# Altium PCB PCB3.PcbDoc
Units mil, origin at the board's own origin, x right, y up, seen from the top; angles counter-clockwise.
Board outline 4000 x 4000 mil, 4 copper layers (Top Layer, Middle Layer 1, Middle Layer 2, Bottom Layer), stack 23.8 mil thick; 76 components, 109 nets, 421 pads, 67 vias.
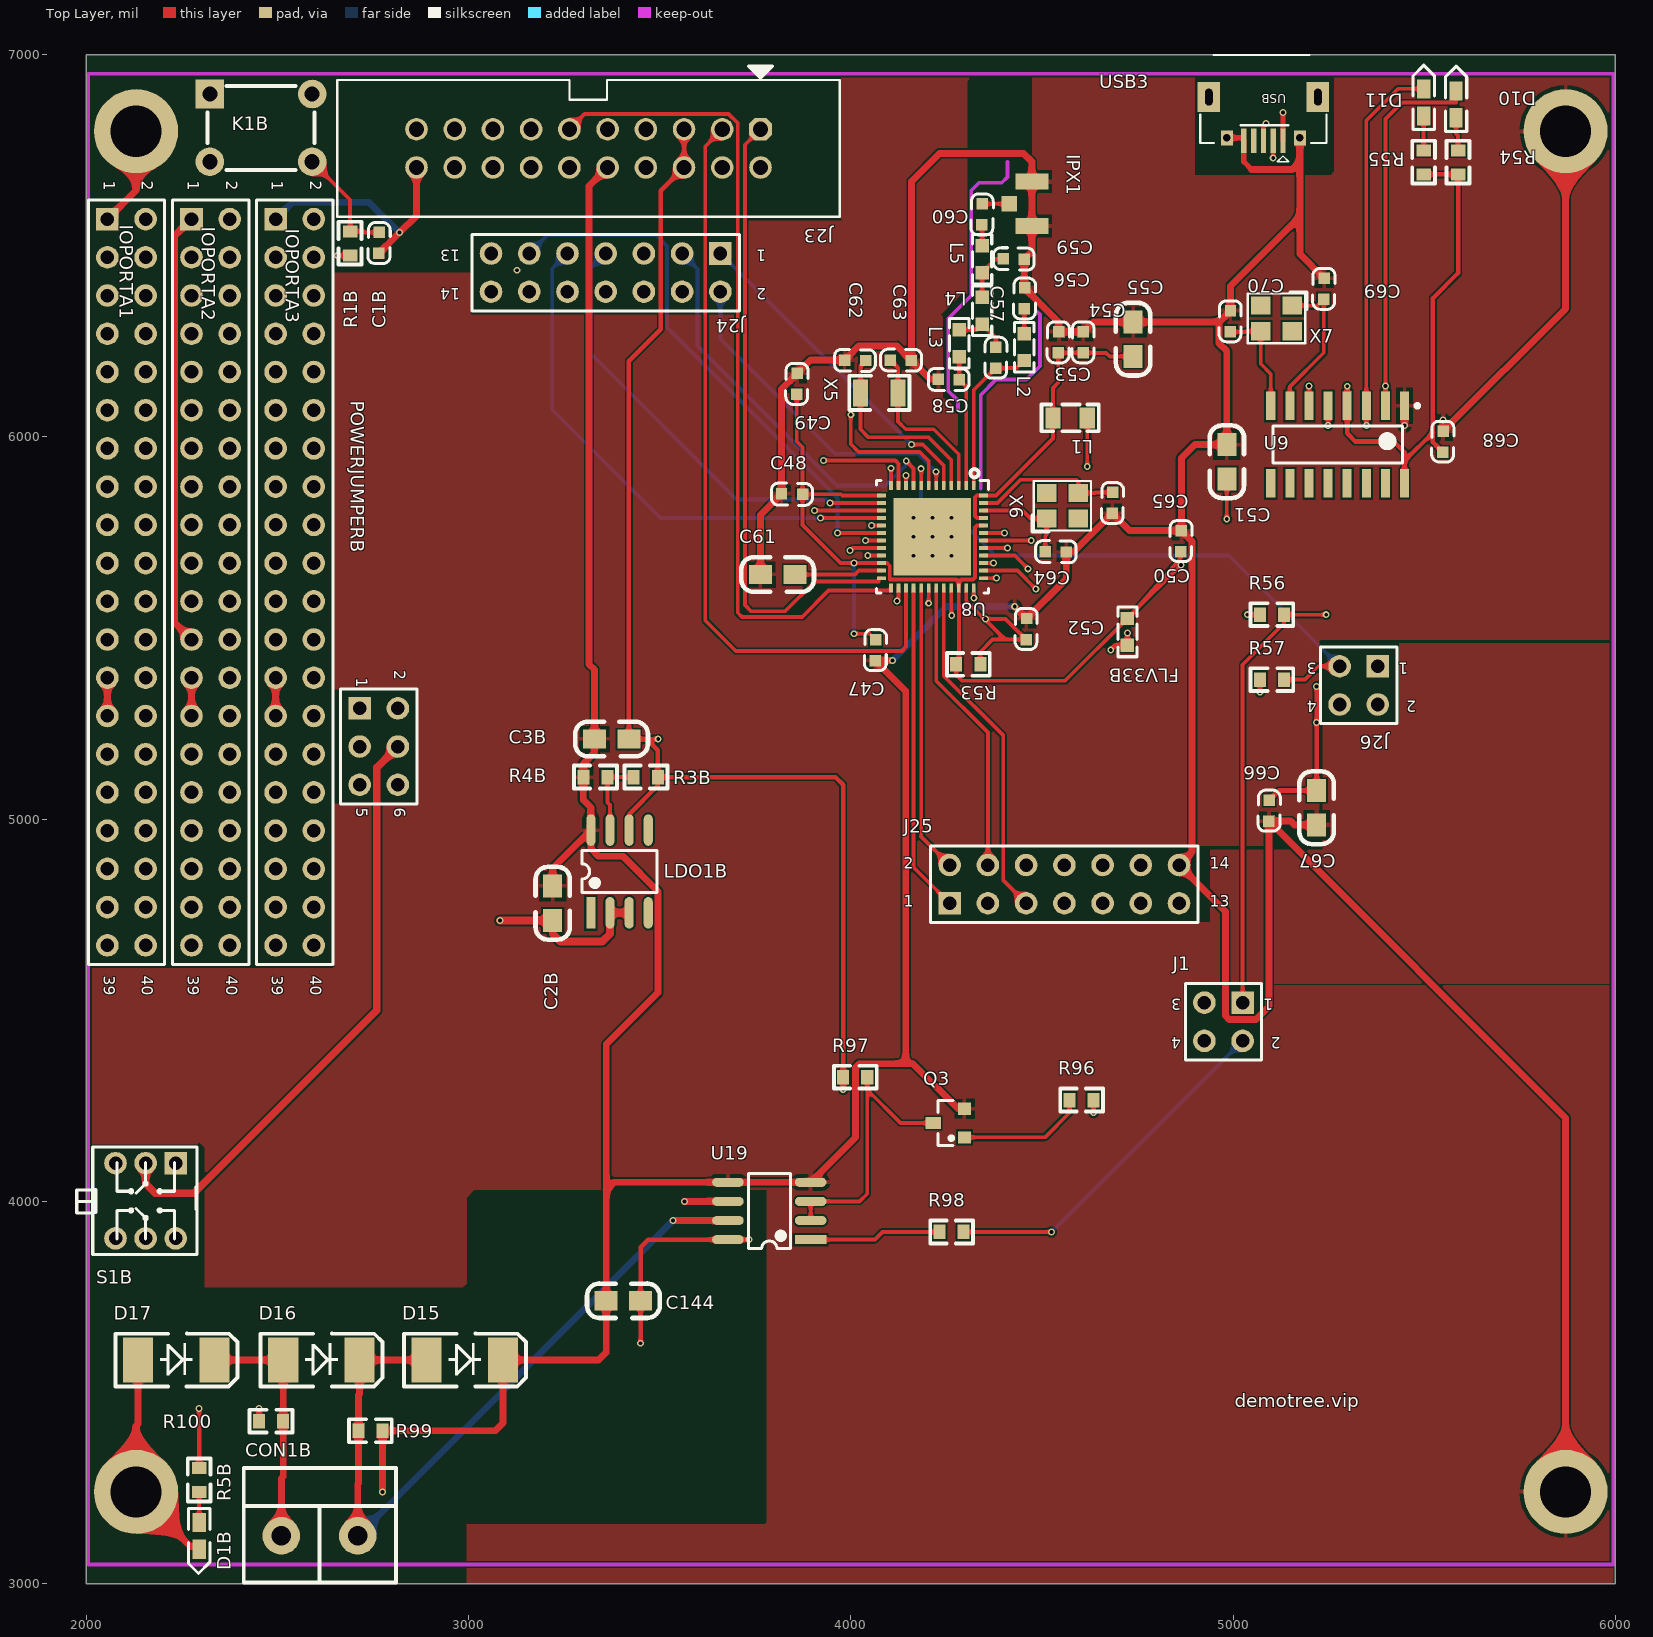
[diagram p0: Top Layer view]
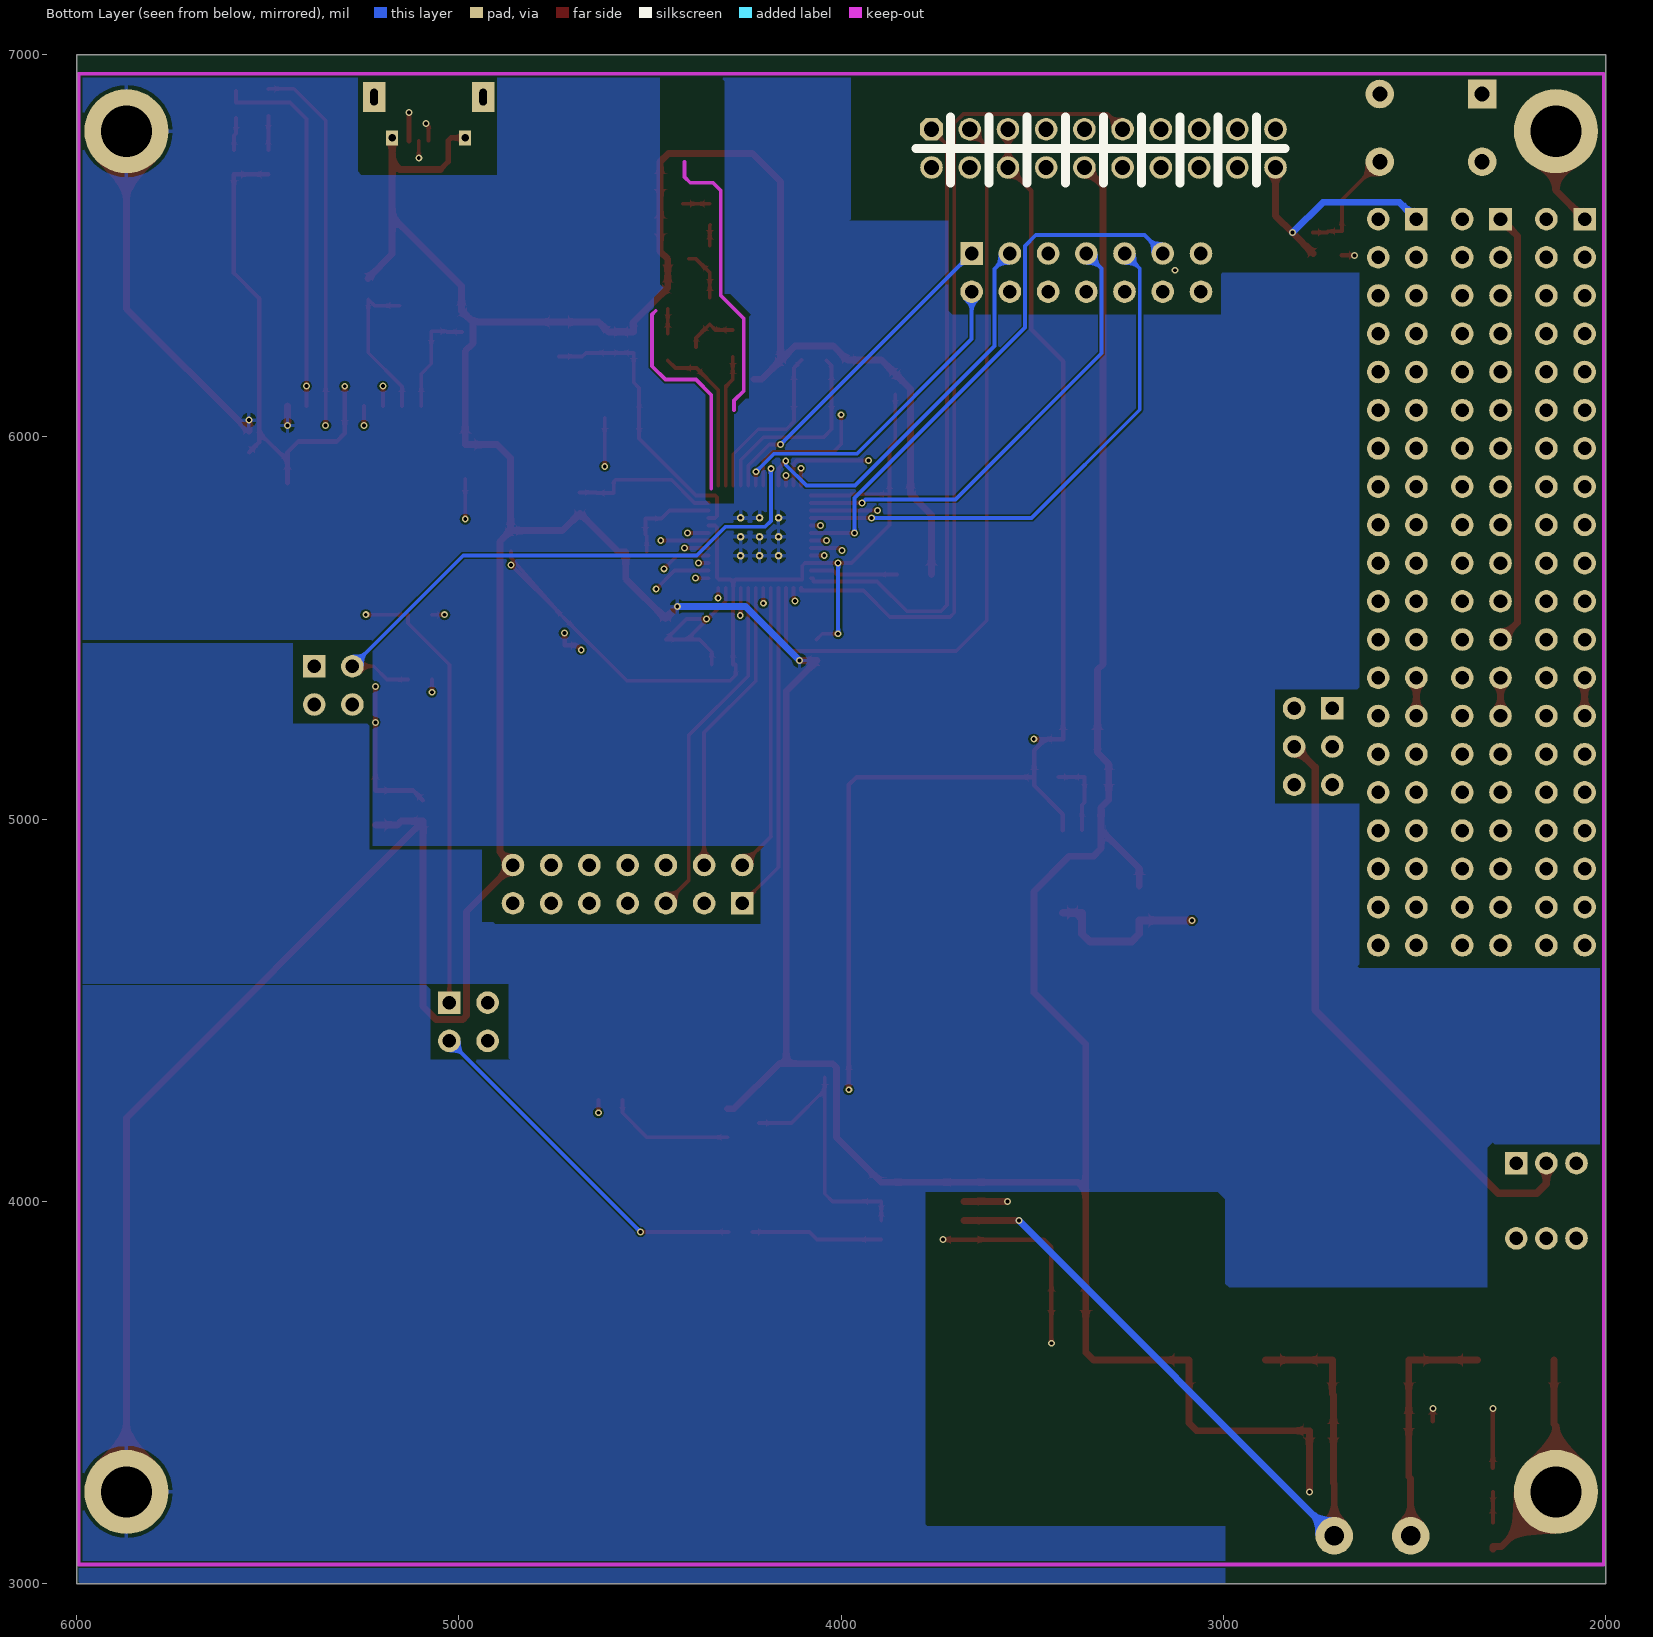
[diagram p1: Bottom Layer view, seen from below]
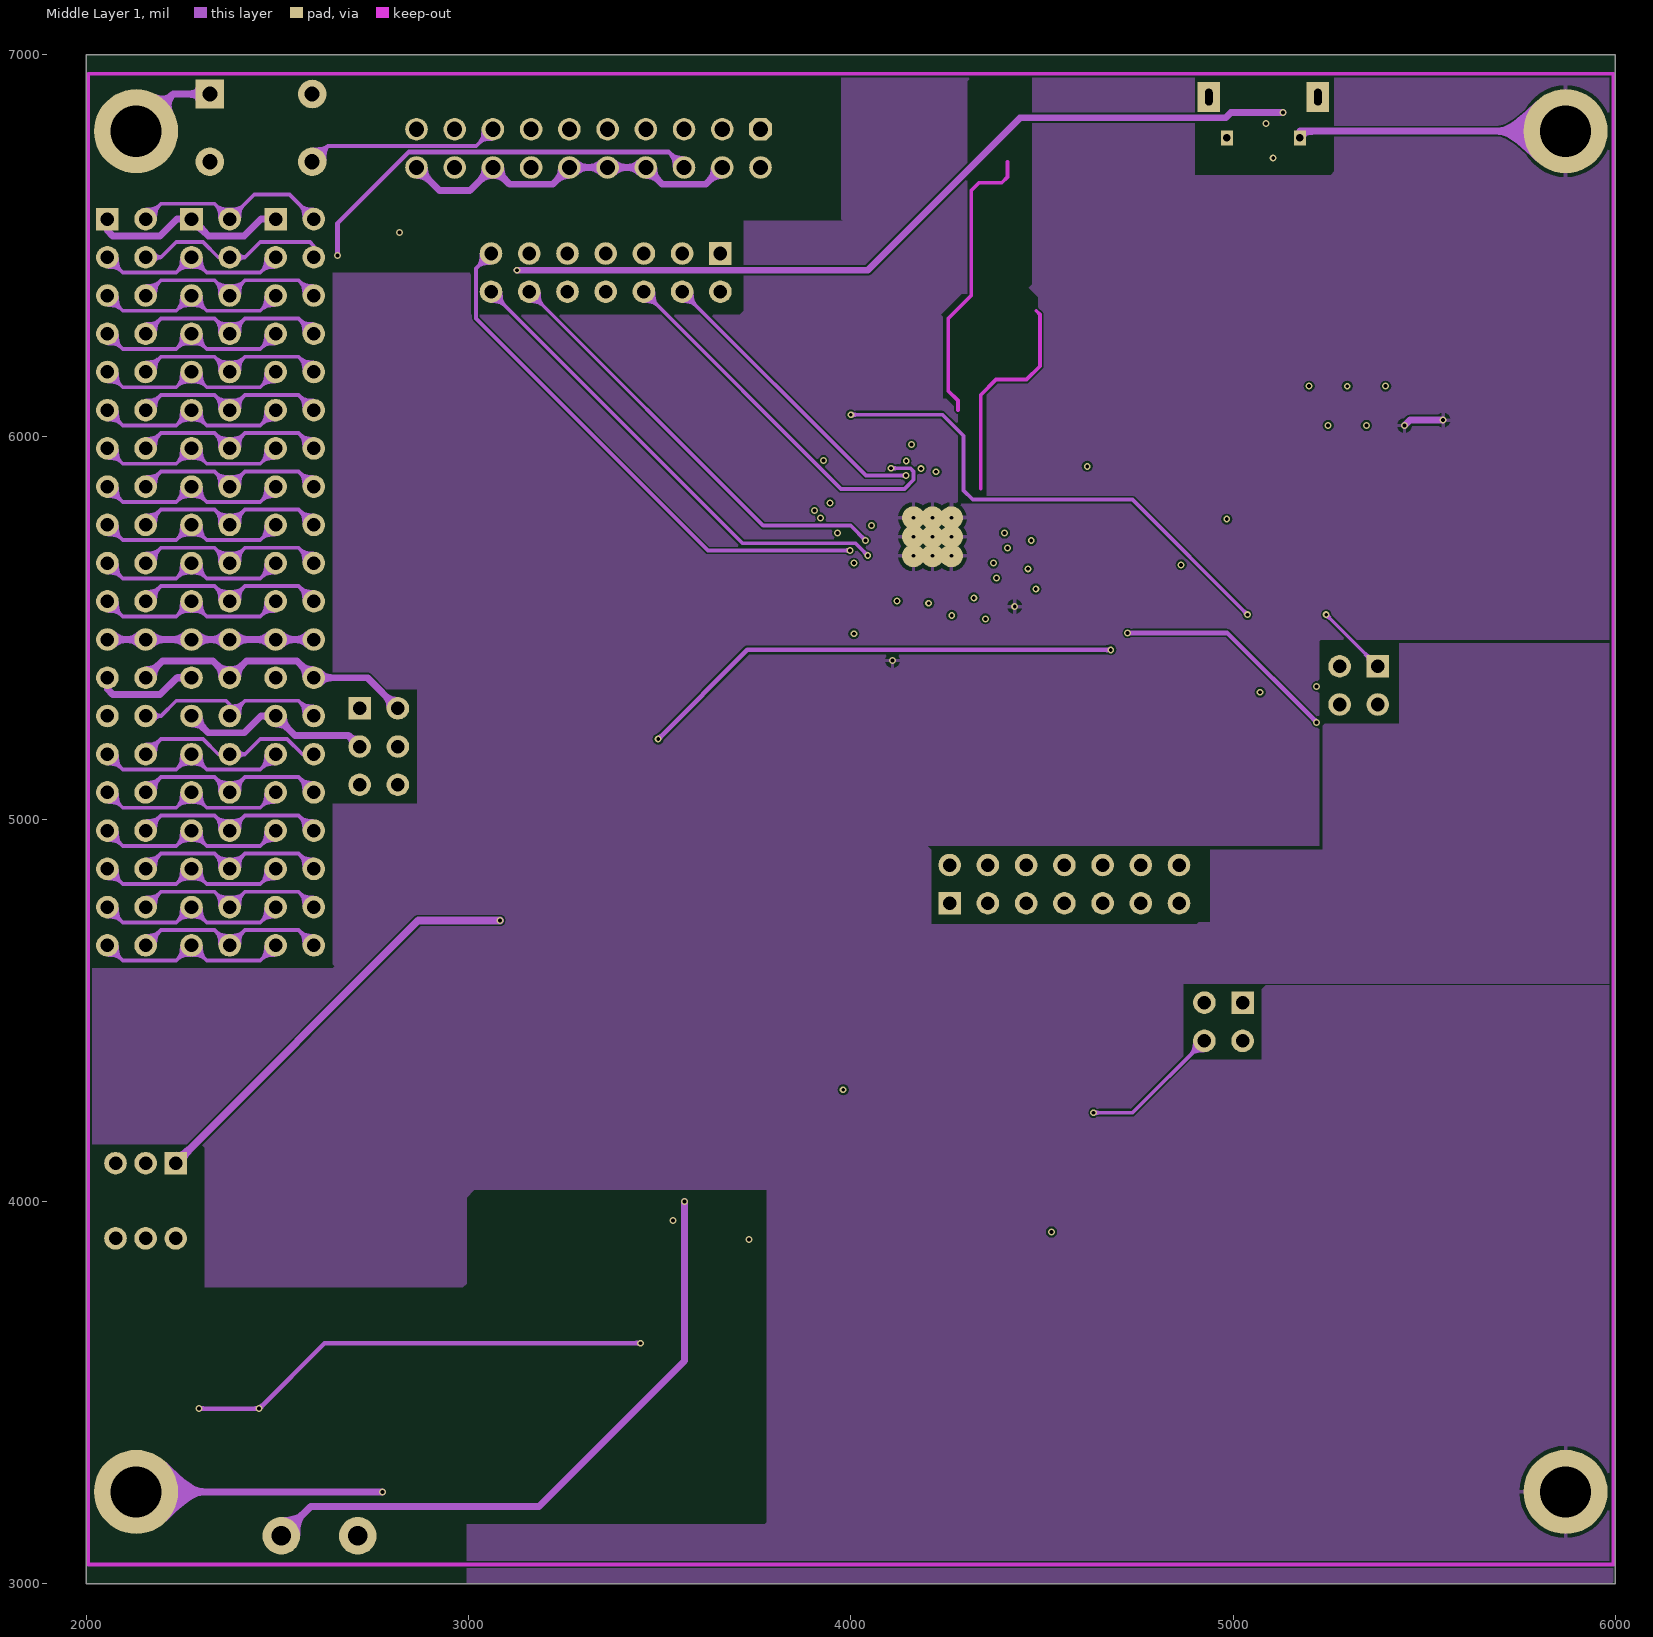
[diagram p2: Middle Layer 1]
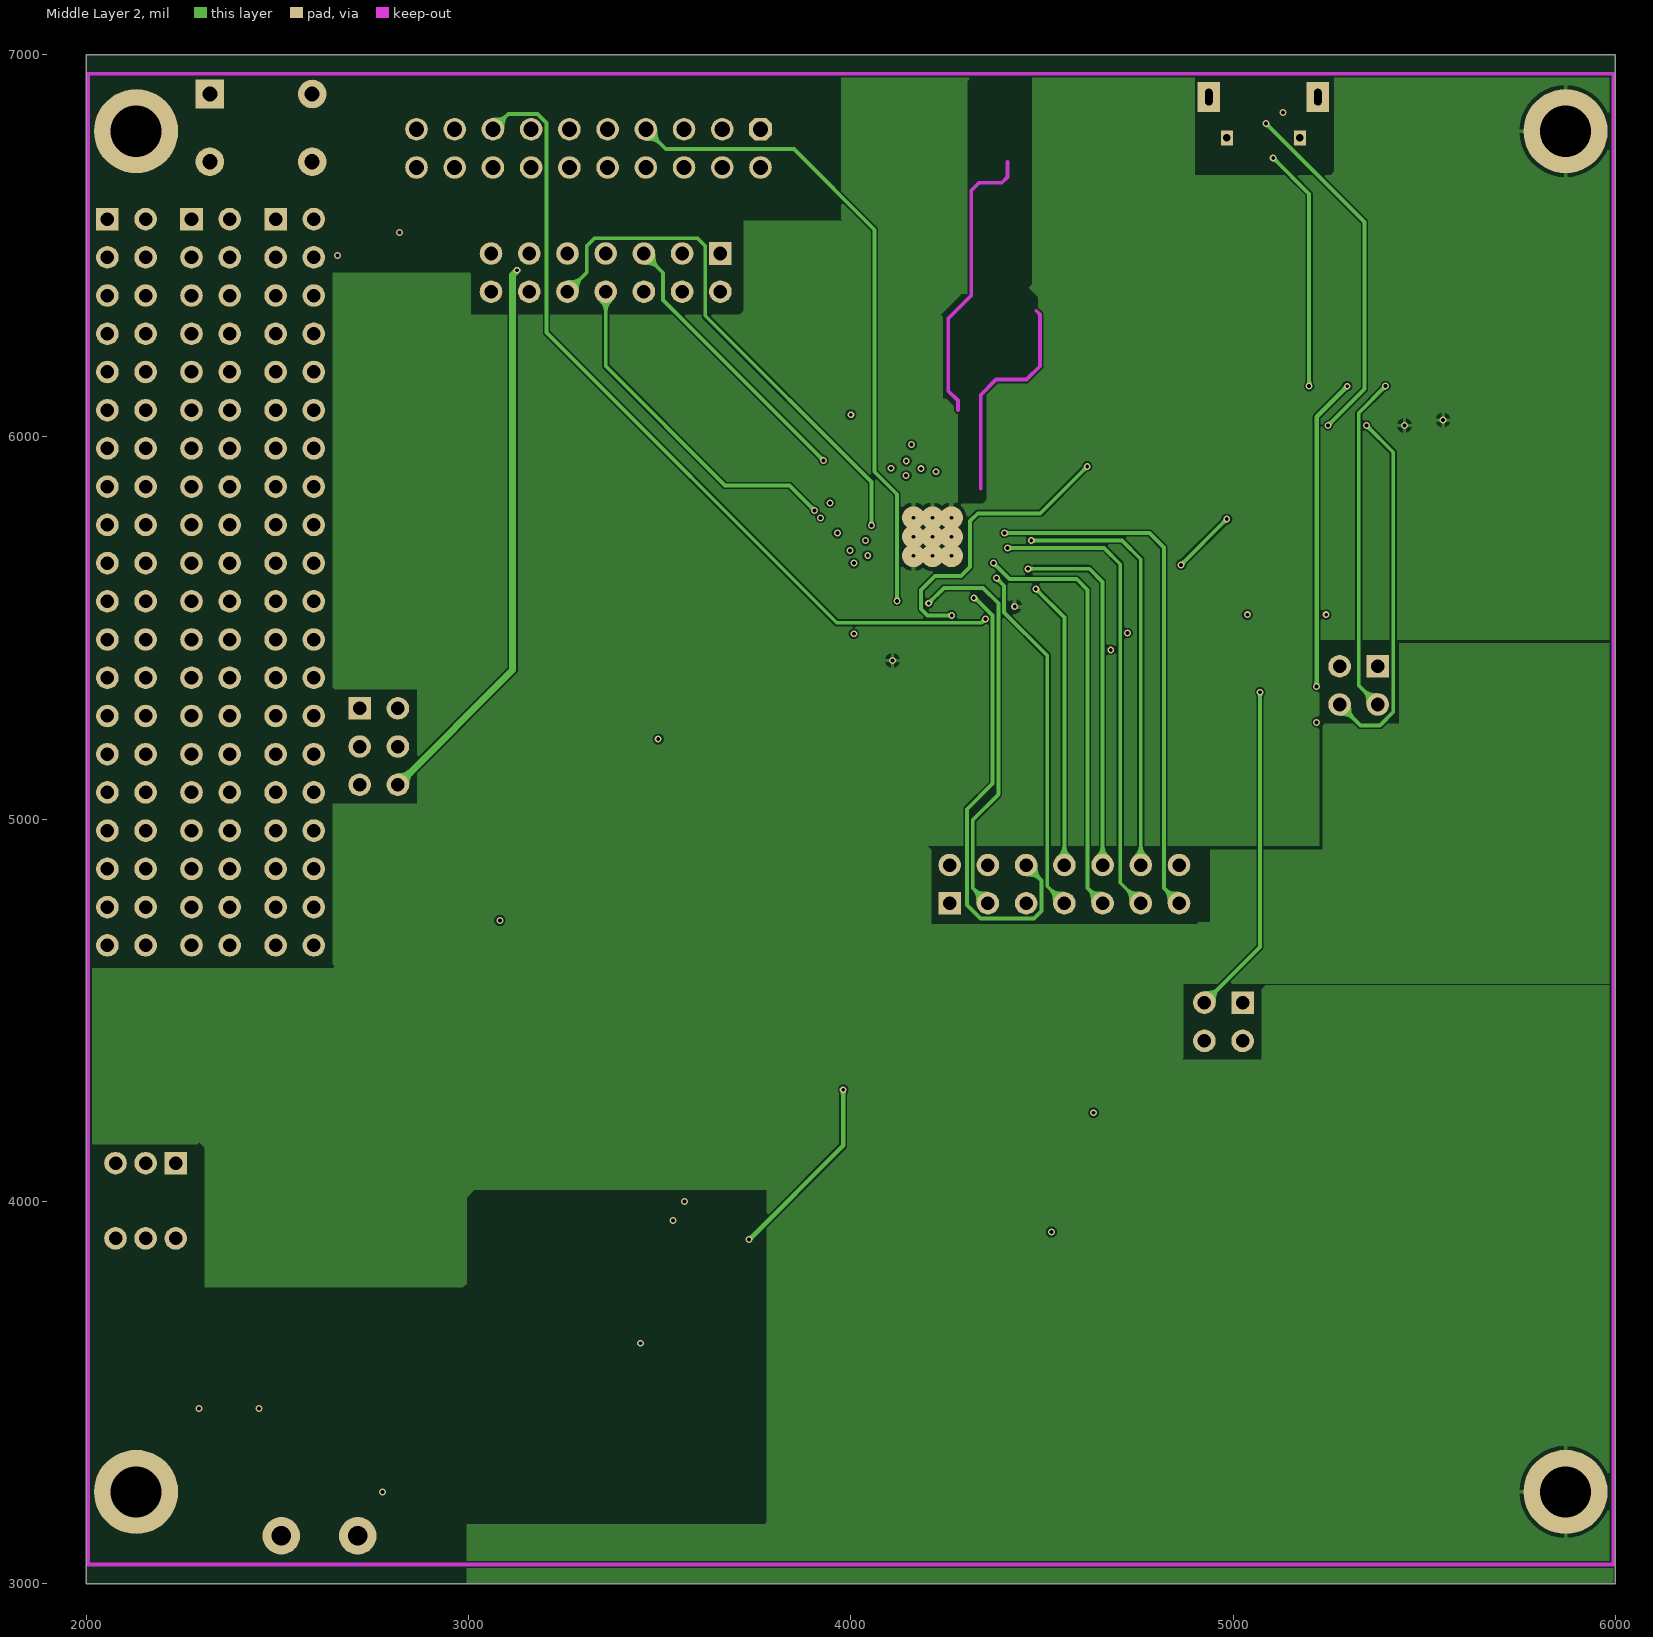
[diagram p3: Middle Layer 2]
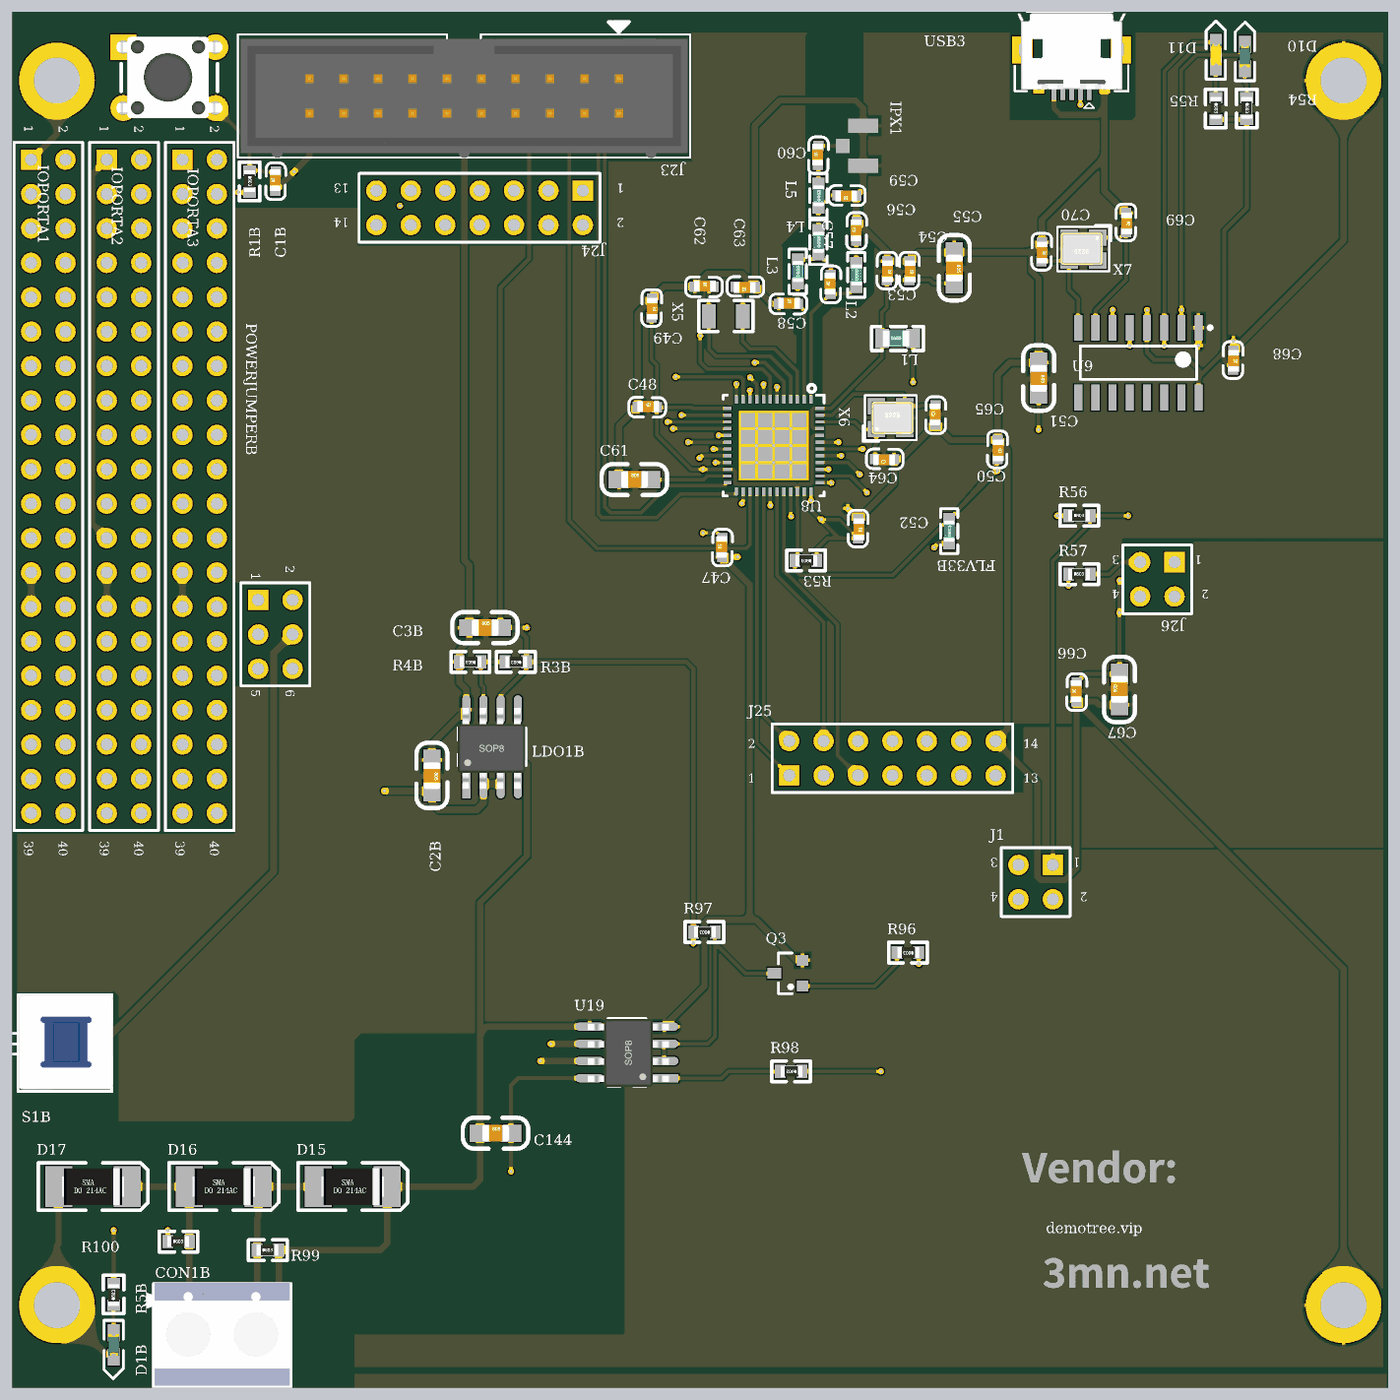
[diagram p4: 3D render of the assembled board from above, using the file's embedded part models]

## Layer stack, top to bottom
Top Solder: solder mask 0.4, Solder Resist, Dk 3.5
Top Layer: signal copper 1.4
Dielectric 2: prepreg 2.8, PP-006, Dk 4.1
Middle Layer 1: signal copper 1.4
Dielectric 1: dielectric 12.6, FR-4, Dk 4.8
Middle Layer 2: signal copper 1.4
Dielectric 3: prepreg 2.8, PP-006, Dk 4.1
Bottom Layer: signal copper 1.4
Bottom Solder: solder mask 0.4, Solder Resist, Dk 3.5

## Board outline
2000,3000 6000,3000 6000,7000 2000,7000

## Design rules (kind name [scope] priority, off if disabled: settings)
Clearance [All] p1: gap=5 ignorepadtopadclearanceinfootprint=TRUE
HoleSize [All] p1: absolutevalues=TRUE maxlimit=500 minlimit=10 maxpercent=80.000 minpercent=20.000
MinimumSolderMaskSliver [All] p1: minsoldermaskwidth=0
PolygonConnect [All] p1: connectstyle=Relief reliefconductorwidth=10 reliefentries=4 polygonreliefangle="90 Angle" airgapwidth=10
RoutingCorners [All] p1: cornerstyle=45-Degree minsetback=180 maxsetback=500
RoutingVias [All] p1: holewidth=10 width=18 viastyle="Through Hole" minholewidth=10 minwidth=18 maxholewidth=180 maxwidth=300
SMDNeckDown [All] p1: percent=102.000
ShortCircuit K1 [All] p1: allowed=FALSE
ShortCircuit [All] p2: allowed=FALSE
SilkToSilkClearance [All] p1: silktosilkclearance=0
SilkToSolderMaskClearance [IsPad] p1: minsilkscreentomaskgap=0 clearancetoexposedcopper=TRUE
SolderMaskExpansion [All] p1: expansion=4
Width VB5 [InNet('VB5')] p1: maxlimit=20 minlimit=10 preferedwidth=12
Width VBB [InNet('VBB')] p2: maxlimit=20 minlimit=10 preferedwidth=20
Width VBIN [InNet('VBIN')] p3: maxlimit=20 minlimit=10 preferedwidth=20
Width VDDR [InNet('VDDR')] p4: maxlimit=20 minlimit=8 preferedwidth=10
Width VDDS [InNet('VDDS')] p5: maxlimit=20 minlimit=8 preferedwidth=10
Width 4851 [InNet('NetCON1B_1')] p6: maxlimit=20 minlimit=5 preferedwidth=18
Width 4852 [InNet('NetCON1B_2')] p7: maxlimit=20 minlimit=5 preferedwidth=18
Width GND [InNet('GND')] p8: maxlimit=20 minlimit=5 preferedwidth=18
Width V33 [InNet('V33')] p9: maxlimit=20 minlimit=5 preferedwidth=18
Width VUSB_2 [InNet('VUSB_2')] p10: maxlimit=20 minlimit=8 preferedwidth=18
Width VNUC5 [InNet('VNUC5')] p11: maxlimit=20 minlimit=8 preferedwidth=18
Width +5 [InNet('+5')] p12: maxlimit=20 minlimit=8 preferedwidth=18
Width [All] p13: maxlimit=20 minlimit=5 preferedwidth=10
24 further rules are at their usual default settings.

## Components (designator, comment, footprint, x,y, rotation, side; value= is the part's Value field where it differs from the comment)
C1B "104" 0603C 2764.65,6479.79 r90 top
C2B "10uF" 0805C 3220.4,4824.29 r270 top
C3B "10uF" 0805C 3330,5210 r0 top
C47 "104" 0603C 4063.31,5414.79 r90 top
C48 "104" 0603C 3818.45,5851.35 r0 top
C49 "104" 0603C 3860.02,6166.34 r270 top
C50 "104" 0603C 4865.02,5755.21 r270 top
C51 "10uf" 0805C 4984.06,5979.29 r270 top
C52 "104" 0603C 4460.02,5525.21 r270 top
C53 "104" 0603C 4544.02,6275.21 r270 top
C54 "104" 0603C 4609.02,6275.21 r270 top
C55 "10uf" 0805C 4738.98,6300 r270 top
C56 "6.8pf" 0603C 4453.31,6334.79 r90 top
C57 "1pf" 0603C 4378.31,6179.79 r90 top
C58 "1pf" 0603C 4228.45,6151.35 r0 top
C59 "1pf" 0603C 4453.87,6464.65 r180 top
C60 "12pf" 0603C 4342.31,6554.79 r90 top
C61 "1uf" 0805C 3764.37,5640.4 r0 top
C62 "12pf" 0603C 3983.45,6201.35 r0 top
C63 "12pf" 0603C 4158.87,6199.65 r180 top
C64 "27pf" 0603C 4563.87,5698.65 r180 top
C65 "27pf" 0603C 4683.31,5799.79 r90 top
C66 "104" 0603C 5093.31,4994.79 r90 top
C67 "10uf" 0805C 5218.26,4985.71 r90 top
C68 "104" 0603C 5550.02,6015.21 r270 top
C69 "22pf" 0603C 5238.66,6415 r270 top
C70 "22pf" 0603C 4993.66,6330 r270 top
C144 "104" 0805C 3360.71,3740.4 r0 top
CON1B "RS485 1A2B" KF301-2P 2510,3125 r0 top
D1B "GREEN0603" LED-0603G 2294.74,3165 r270 top
D10 "BLUE" LED-0603B 5583.66,6835 r90 top
D11 "YELLOW" LED-0603Y 5498.66,6835 r90 top
D15 "SMAJ6.5CA" SMA/DO-214AC 2895,3585 r0 top
D16 "SMAJ6.5CA" SMA/DO-214AC 2520,3585 r0 top
D17 "SMAJ6.5CA" SMA/DO-214AC 2140,3585 r0 top
FLV33B "CZP0603" 0603L 4723.66,5455 r90 top
IOPORTA1 "Header 20X2" HDR2X20 2055,6570 r270 top
IOPORTA2 "Header 20X2" HDR2X20 2275,6570 r270 top
IOPORTA3 "Header 20X2" HDR2X20 2495,6570 r270 top
IPX1 "IPEXCONN" IPEXCONN 4473.66,6610 r270 top
J1 "4852B5" HDR2X2 5025,4520 r180 top
J23 "BLE5 XDC100V3" IDC2.54-20P 3763.66,6805 r180 top
J24 "BLE5 GPIOA" HDR2X7 3658.66,6480 r180 top
J25 "BLE5 GPIOB" HDR2X7 4258.66,4780 r0 top
J26 "B5U1CH340" HDR2X2 5378.66,5400 r180 top
K1B "RST" DIP-6X6X5 2323,6897.16 r0 top
L1 "10uh" 0805L 4623.66,6050 r180 top
L2 "2.4nh" 0603L 4453.66,6200 r90 top
L3 "2.4nh" 0603L 4283.66,6210 r90 top
L4 "2nh" 0603L 4343.66,6295 r90 top
L5 "2nh" 0603L 4343.66,6430 r90 top
LDO1B "RT2516-2A-LDO" SOP8 3320,4755 r90 top
POWERJUMPERB "Header 3X2" HDR2X3 2715,5290 r270 top
Q3 "S8050" SOT23 4255,4205 r180 top
R1B "10k" 0603R 2690,6537.99 r270 top
R3B "5.6k" 0603R 3495,5110 r180 top
R4B "1k" 0603R 3362.99,5110 r180 top
R5B "4.7k" 0603R 2295,3240 r90 top
R53 "100k" 0603R 4338.66,5405 r180 top
R54 "4.7k" 0603R 5588.66,6750 r270 top
R55 "4.7k" 0603R 5498.66,6750 r270 top
R56 "22R" 0603R 5070.67,5535 r0 top
R57 "22R" 0603R 5070.67,5365 r0 top
R96 "4.7k" 0603R 4635,4265 r180 top
R97 "4.7k" 0603R 4042.99,4325 r180 top
R98 "1k" 0603R 4295,3920 r180 top
R99 "4.7k" 0603R 2712.01,3400 r0 top
R100 "4.7k" 0603R 2452.01,3425 r0 top
S1B "POWERSW" "KFT DIP-7X7" 2233.74,4100 r270 top
U8 "CC2640R2FTWRGZRQ" RGZ0048N 4213.5,5738.86 r270 top value=Value
U9 "CH340G" SOIC127P600X170-16N 5273.66,5980 r270 top
U19 "MAX3485" SOP8 3895,3900 r180 top
USB3 "BLE5_UART1" USB-micro_B 5130.59,6775 r180 top
X5 "32.768k" X3215 4074.45,6116.97 r180 top
X6 "24M20p" "OSC 3225-4P" 4553.66,5820 r0 top
X7 "12M" "OSC 3225-4P" 5113.66,6310 r180 top
